# Allegro board BRD_05101_01_rev_b01_aa.brd (continued)
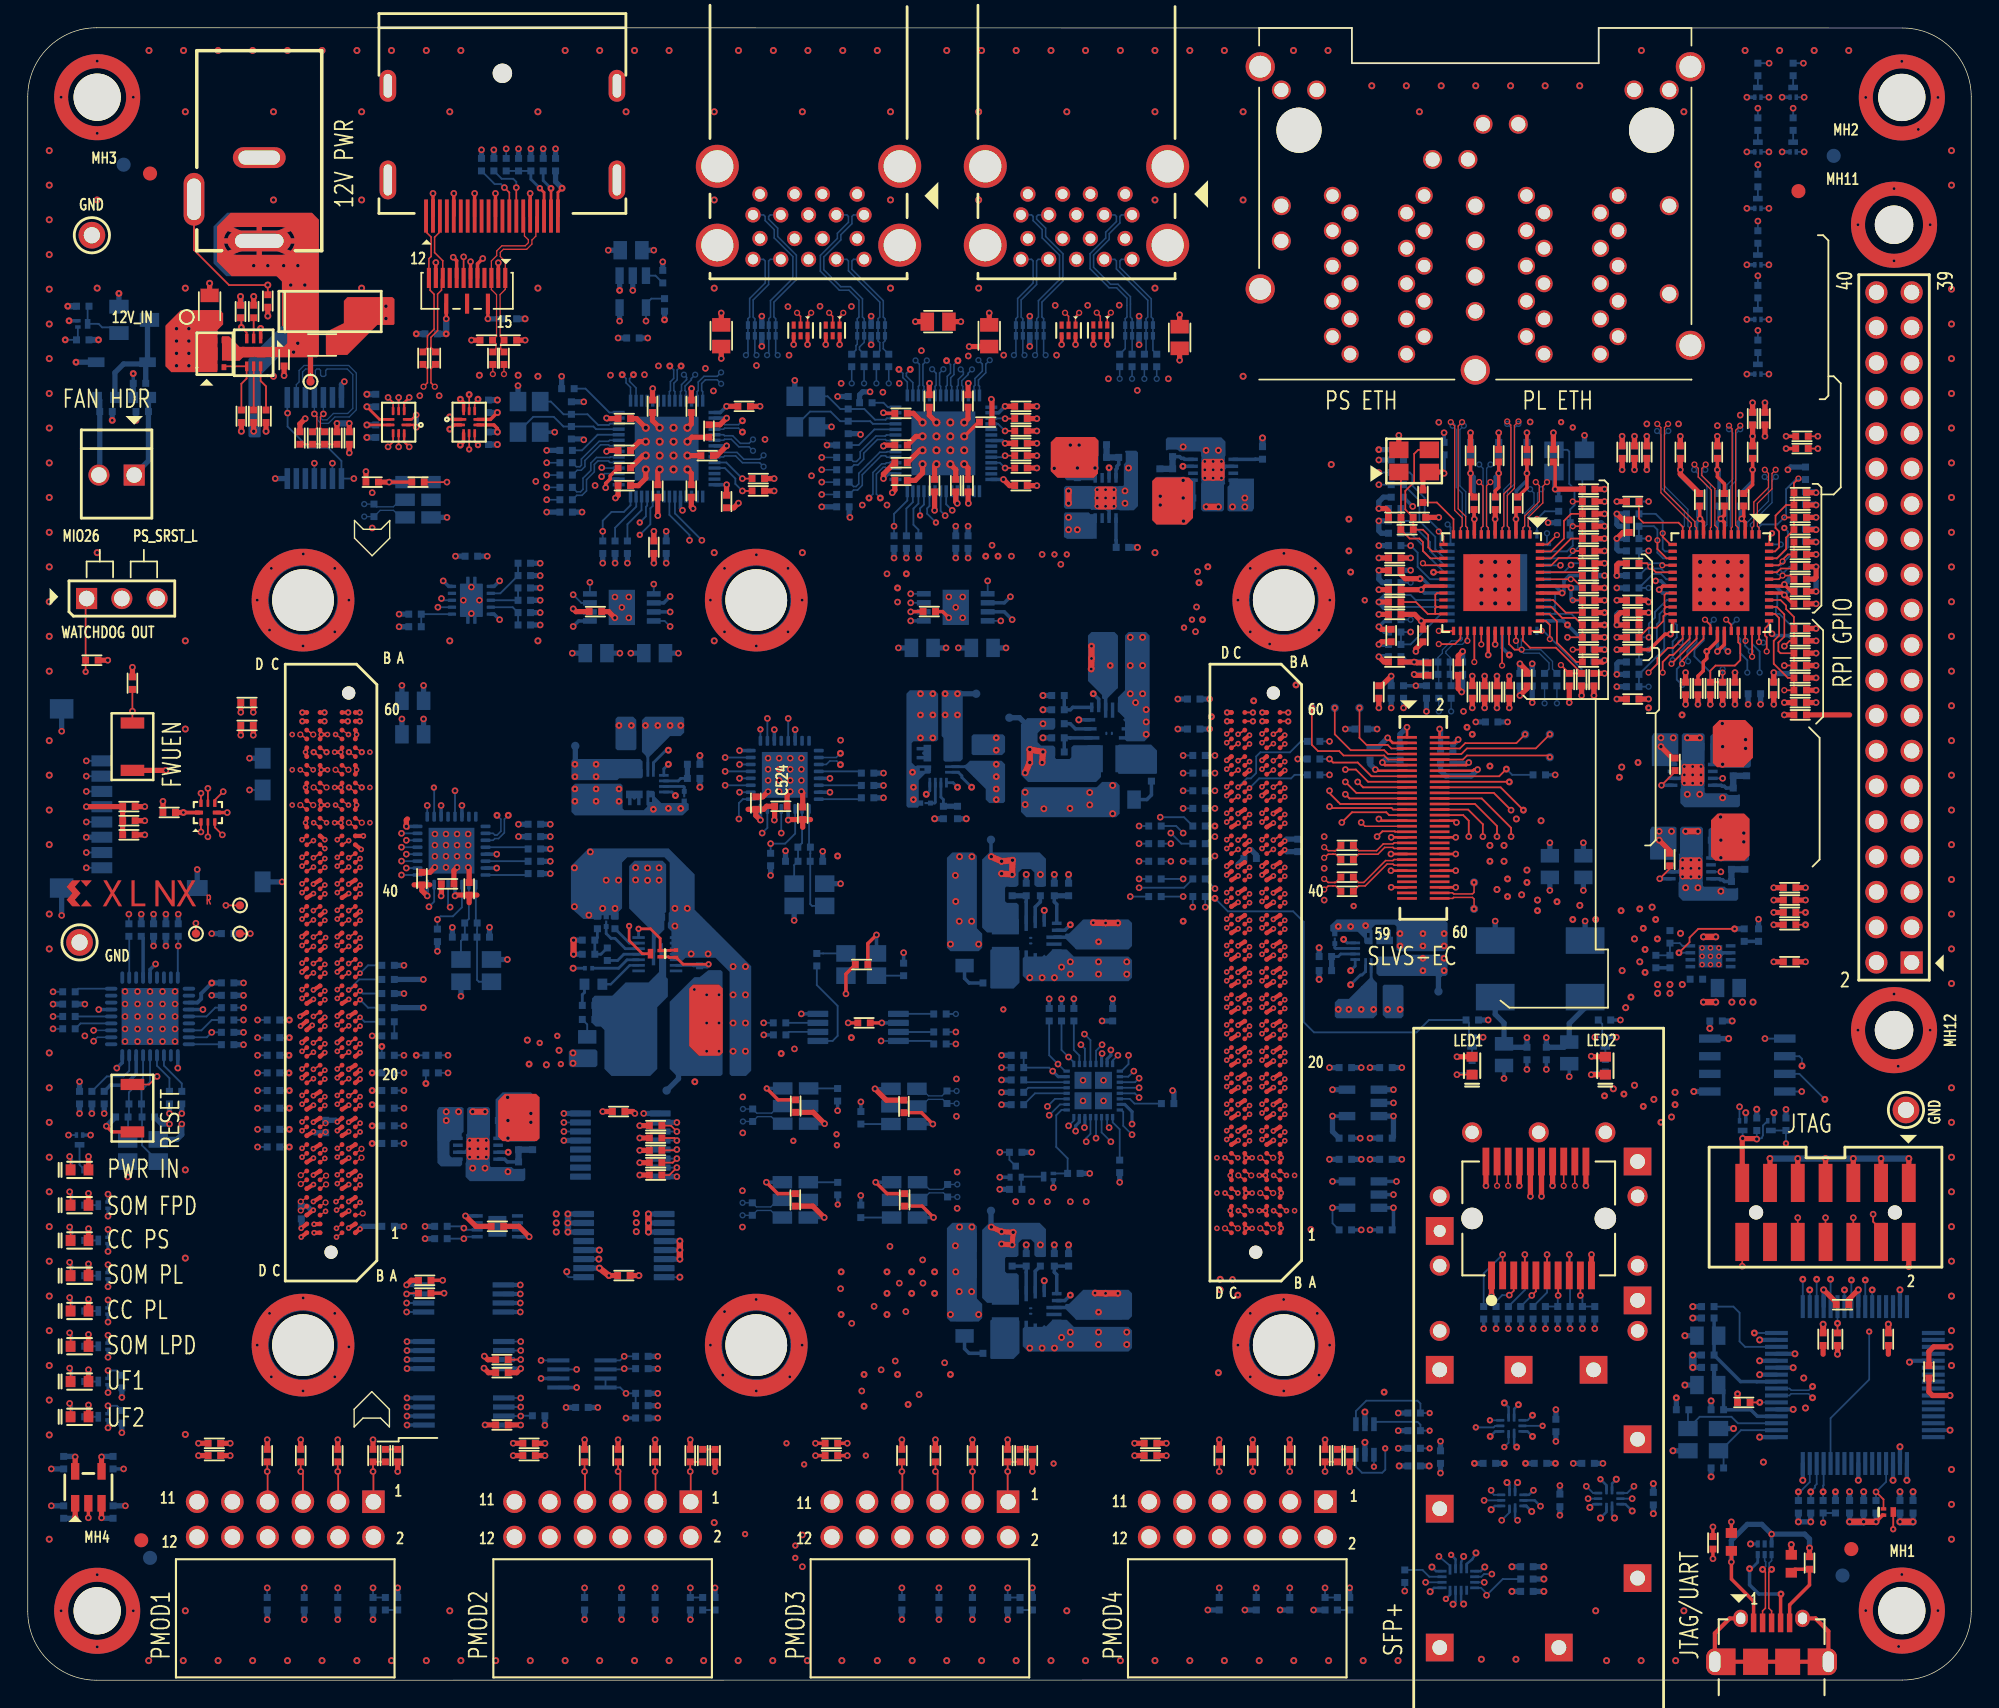
[diagram p0: board, top side]
## Copper pours and planes (outline as drawn; the poured copper is in the pictures) (continued)
(no net) on BOTTOM: 65.07,65.83 65.07,65.45 64.94,65.32 64.69,65.32 64.18,64.82 64.18,63.29 64.44,63.29 64.44,63.04 64.18,63.04 64.18,62.91 64.12,62.84 63.41,62.84 63.29,62.96 63.29,71.04 63.55,71.29 65.32,71.29 65.58,71.04 65.58,67.74 65.45,67.61 63.8,67.61 63.67,67.48 63.67,66.09 63.93,65.83 ; 1 cut-out
(no net) on BOTTOM: 71.37,52.63 71.44,52.55 71.44,50.23 71.02,49.81 69.39,49.81 69.33,49.86 69.33,52.55 69.39,52.63
(no net) on BOTTOM: 78.53,67.3 78.61,67.38 80.92,67.38 81.35,66.95 81.35,65.32 81.3,65.27 78.61,65.27 78.53,65.32
(no net) on BOTTOM: 44.97,52.41 44.97,53.93 43.32,55.58 43.32,58.63 43.7,59.01 45.73,59.01 45.99,58.76 45.99,55.33 45.86,55.2 45.86,54.06 45.22,53.42 45.22,52.41
(no net) on BOTTOM: 36.5,38.78 36.62,38.91 36.62,41.96 36.24,42.34 34.21,42.34 33.7,41.83 33.7,38.91 33.83,38.78
(no net) on BOTTOM: 77.01,64.31 71.8,64.31 71.55,64.05 71.55,62.53 71.93,62.15 78.41,62.15 78.66,62.4 78.66,64.44 78.41,64.69 77.39,64.69
(no net) on BOTTOM: 84.52,88.42 84.45,88.49 82.11,88.49 81.98,88.61 81.98,89.38 82.11,89.5 85.98,89.5 86.28,89.2 86.3,86.2 86.17,86.07 86.17,84.3 86.05,84.17 84.65,84.17 84.52,84.3
(no net) on BOTTOM: 86.43,84.25 86.43,85.95 86.56,86.07 86.56,86.45 86.66,86.53 88.33,86.53 88.33,86.14 88.33,84.4 88.21,84.17 86.56,84.17
(no net) on BOTTOM: 44.21,64.95 42.59,64.95 42.46,64.82 39.29,64.82 39.16,64.94 39.16,66.21 39.29,66.34 44.12,66.34 44.29,66.17 44.29,65.02
(no net) on BOTTOM: 77.23,67.33 77.31,67.25 77.31,65.04 76.96,64.69 72.06,64.69 71.55,65.2 71.55,68.83 72,69.28 73.96,69.28 74.01,69.22 74.01,68.57 73.88,68.45 73,68.45 72.74,68.19 72.74,67.56 73,67.31 73.88,67.31 74.01,67.18 74.01,66.42 74.09,66.34 75.05,66.34 75.18,66.46 75.18,67.18 75.33,67.33
(no net) on BOTTOM: 31.39,41.19 31.39,39.5 31.27,39.37 31.27,38.99 31.16,38.91 30.53,38.91 30.38,38.73 30.38,37.84 30.51,37.72 31.14,37.72 31.27,37.59 31.29,37.38 31.29,37.13 31.16,37 29.76,37 29.51,37.26 29.49,39.3 29.49,41.05 29.62,41.27 31.27,41.27
(no net) on BOTTOM: 118.77,61.39 118.77,59.69 118.64,59.56 118.64,59.18 118.54,59.1 116.87,59.1 116.87,59.49 116.87,61.24 116.99,61.47 118.64,61.47
(no net) on BOTTOM: 77.14,89.2 77.01,89.33 74.98,89.33 74.72,89.07 74.72,86.53 74.85,86.41 77.01,86.41 77.14,86.53
(no net) on BOTTOM: 96.82,53.01 96.44,53.01 96.31,53.13 96.31,53.39 95.8,53.89 94.28,53.89 94.28,53.64 94.03,53.64 94.03,53.89 93.9,53.89 93.83,53.96 93.83,54.36 94.28,54.78 102.03,54.78 102.28,54.53 102.28,52.75 102.03,52.5 98.73,52.5 98.6,52.62 98.6,54.28 98.47,54.4 97.07,54.4 96.82,54.15 ; 1 cut-out
(no net) on BOTTOM: 97.2,50.21 97.2,47.93 96.95,47.67 94.28,47.67 94.15,47.8 94.15,48.81 94.41,49.07 95.17,49.07 96.82,50.72 96.95,50.47
(no net) on BOTTOM: 45.48,51.01 45.48,52.15 45.61,52.28 45.99,51.9 45.99,50.63 46.11,50.5 46.11,49.23 45.35,48.47 45.35,44.03 44.84,43.52 42.05,43.52 41.54,44.03 41.54,46.82 41.29,47.07 40.91,47.07 40.65,47.33 40.65,49.11 40.84,49.3 42.11,49.3 43.07,50.25 44.72,50.25
(no net) on BOTTOM: 43.61,69.39 42.5,69.39 42.34,69.23 42.34,67.1 42.46,66.98 43.74,66.98 43.84,67.07 43.84,69.16
(no net) on BOTTOM: 118.9,68.12 118.9,66.42 118.77,66.29 118.77,65.91 118.66,65.83 118.03,65.83 118.02,65.82 118.01,65.83 117,65.83 116.99,66.22 116.99,67.97 117.12,68.2 118.77,68.2
DP_3V3 on L12_SIG: 39.25,108 42.43,104.83 42.43,101.91 43.06,101.27 43.06,99.49 41.92,98.35 32.63,98.35 31.26,99.72 31.26,105.51 33.76,108
Net_24 on TOP (solid shape): 11.42,56.89 11.82,57.61 12.09,57.61 11.55,56.69 12.13,55.73 11.86,55.73 11.42,56.49 10.98,55.73 10.72,55.73 11.3,56.69 10.76,57.61 11.02,57.61
Net_26 on TOP (solid shape): 10.36,56.16 10.36,57.61 10.59,57.61 10.59,55.73 10.38,55.73 9.42,57.18 9.42,55.73 9.19,55.73 9.19,57.61 9.4,57.61
Net_27 on TOP (solid shape): 7.7,55.94 8.47,55.94 8.47,55.73 7.47,55.73 7.47,57.61 7.7,57.61
Net_28 on TOP (solid shape): 6.1,56.89 6.5,57.61 6.76,57.61 6.22,56.69 6.8,55.73 6.54,55.73 6.1,56.49 5.66,55.73 5.4,55.73 5.97,56.69 5.44,57.61 5.7,57.61
Net_31 on TOP (solid shape): 3.4,57.14 3.8,56.67 3.4,56.2 3.8,55.73 3.2,55.73 2.8,56.2 3.2,56.67 2.8,57.14 3.2,57.61 3.8,57.61
PL_1V8 on BOTTOM (solid shape): 73.35,59.16 73.35,57.2 73.29,57.15 72.64,57.15 72.51,57.27 72.51,58.16 72.26,58.42 71.62,58.42 71.37,58.16 71.37,57.27 71.24,57.15 70.48,57.15 70.4,57.07 70.4,56.74 70.4,56.24 70.4,56.1 70.53,55.98 71.24,55.98 71.39,55.83 71.39,53.92 71.32,53.85 69.11,53.85 68.75,54.2 68.75,59.1 69.26,59.61 72.89,59.61
PL_1V8 on L07_PWR: 82.6,92.38 126.03,92.38 129.71,88.69 129.71,70.15 128.7,69.13 115.87,69.13 111.17,64.44 104.19,64.44 101.39,67.23 101.39,73.07 99.74,74.72 92.48,74.72 93.7,76.04 94.14,77.78 90.48,81.44 86.82,77.78 87.26,76.04 88.48,74.72 86.03,74.72 84.12,72.82 84.12,67.99 85.26,66.85 91.87,66.85 93.01,65.71 93.01,34.84 92.63,34.46 67.61,34.46 67.61,41.58 62.71,41.58 62.71,44.61 57.84,44.61 56.69,43.45 56.69,34.21 27.86,34.21 24.3,30.65 19.6,30.65 18.97,31.29 18.97,35.48 19.48,35.99 24.3,35.99 24.94,36.62 24.94,47.67 26.46,49.2 39.54,49.2 41.45,51.1 41.45,55.04 42.85,56.43 67.86,56.43 69.64,58.21 69.64,69.77 80.95,81.07 80.95,90.72
PL_1V8_SW on BOTTOM (solid shape): 71.44,52.55 71.44,50.23 71.02,49.81 69.39,49.81 69.33,49.86 69.33,52.55 69.39,52.63 71.37,52.63
PL_3V3 on BOTTOM (solid shape): 118.77,61.39 118.77,59.69 118.64,59.56 118.64,59.18 118.54,59.1 116.87,59.1 116.87,59.49 116.87,61.24 116.99,61.47 118.64,61.47
PL_3V3 on BOTTOM (solid shape): 118.9,68.12 118.9,66.42 118.77,66.29 118.77,65.91 118.66,65.83 117,65.83 116.99,66.22 116.99,67.97 117.12,68.2 118.77,68.2
PL_3V3 on BOTTOM (solid shape): 73.35,32.49 73.35,30.53 73.29,30.48 72.64,30.48 72.51,30.6 72.51,31.49 72.26,31.75 71.62,31.75 71.37,31.49 71.37,30.6 71.24,30.48 70.48,30.48 70.4,30.4 70.4,30.07 70.4,29.57 70.4,29.43 70.53,29.31 71.24,29.31 71.39,29.16 71.39,27.25 71.32,27.18 69.11,27.18 68.75,27.53 68.75,32.43 69.26,32.94 72.89,32.94
PL_3V3 on L07_PWR: 105.2,115.49 129.59,115.49 138.6,106.47 138.6,19.22 136.06,16.68 85.64,16.68 83.36,18.97 56.31,18.97 53.89,16.56 46.78,16.56 45.26,18.08 31.92,18.08 30.27,16.43 17.45,16.43 14.91,18.97 12.11,18.97 10.59,17.45 10.59,14.65 7.67,11.73 6.14,11.73 5.63,12.24 5.63,12.87 4.75,13.76 3.09,13.76 1.82,15.03 1.82,46.91 3.73,48.81 22.78,48.81 23.92,47.67 23.92,36.75 23.8,36.62 18.21,36.62 17.83,36.24 17.83,31.29 18.84,30.27 24.56,30.27 28.49,34.21 36.24,34.21 36.88,33.57 57.11,33.57 57.46,33.92 57.46,42.91 58.48,43.93 62.02,43.93 62.02,40.94 66.98,40.94 66.98,34.08 93.52,34.08 93.52,65.58 91.74,67.36 85.77,67.36 84.88,68.25 84.88,72.56 86.53,74.21 98.98,74.21 100.63,72.56 100.63,66.98 103.93,63.67 112.19,63.67 116.76,68.25 120.82,68.25 122.22,66.85 128.06,66.85 129.84,68.63 129.84,89.84 126.16,93.52 104.44,93.52 102.66,95.3 102.66,112.95 ; 3 cut-outs
PL_3V3_SW on BOTTOM (solid shape): 71.44,25.88 71.44,23.56 71.02,23.14 69.39,23.14 69.33,23.19 69.33,25.88 69.39,25.96 71.37,25.96
PL_3V8 on BOTTOM (solid shape): 102.28,52.12 102.28,50.85 102.15,50.72 97.33,50.72 97.16,50.89 97.16,52.04 97.23,52.11 98.85,52.11 98.98,52.24 102.15,52.24
PL_3V8 on L08_PWR: 92.63,51.99 92.63,67.86 93.9,69.13 99.61,69.13 103.17,65.58 103.17,50.47 102.28,49.58 98.98,49.58 97.71,50.85 93.77,50.85
PL_ETH_1V0 on TOP (solid shape): 124.04,62.02 124.04,59.39 123.66,59.02 121.56,59.02 121.26,59.32 121.26,61.94 121.74,62.42 123.64,62.42
PL_ETH_1V0 on BOTTOM (solid shape): 122.77,61.38 122.87,61.35 122.98,61.34 123.09,61.35 123.19,61.38 123.2,61.39 123.74,61.39 124,61.13 124,59.1 123.87,58.97 121.82,58.97 121.73,59.06 121.61,59.1 121.08,59.1 121.08,59.1 121.08,61.26 121.2,61.39 122.76,61.39
PL_ETH_1V0 on L08_PWR: 115.49,60.24 115.49,84.88 121.71,91.11 126.67,91.11 127.81,89.96 127.81,87.93 126.54,86.66 120.57,86.66 118.41,84.5 118.41,83.1 119.43,82.09 120.95,82.09 121.46,82.6 121.46,83.61 121.84,83.99 122.35,83.99 122.6,83.74 122.6,83.1 123.11,82.6 126.16,82.6 127.81,80.95 127.81,72.31 126.16,70.66 121.59,70.66 120.44,69.52 120.44,65.71 121.33,64.82 127.55,64.82 127.81,64.56 127.81,59.23 126.92,58.34 117.39,58.34
PL_ETH_2V5 on TOP (solid shape): 124.28,68.59 124.28,66.43 123.59,65.75 121.69,65.75 121.38,66.05 121.38,68.67 121.87,69.15 123.72,69.15
PL_ETH_2V5 on BOTTOM (solid shape): 122.9,68.11 123,68.08 123.11,68.07 123.22,68.08 123.32,68.11 123.33,68.12 123.87,68.12 124.13,67.86 124.13,65.83 124,65.71 121.95,65.71 121.86,65.79 121.73,65.83 121.21,65.83 121.2,65.83 121.2,67.99 121.33,68.12 122.89,68.12
PL_ETH_2V5 on L08_PWR: 114.98,86.41 116.51,86.41 121.46,91.36 126.92,91.36 128.19,90.09 128.19,87.8 126.67,86.28 120.82,86.28 119.68,85.14 119.68,83.1 120.06,82.72 120.7,82.72 121.08,83.1 121.08,83.74 121.71,84.37 122.47,84.37 122.98,83.87 122.98,83.1 123.11,82.98 126.67,82.98 128.19,81.45 128.19,71.8 126.16,69.77 121.97,69.77 120.95,68.75 120.95,65.96 121.71,65.2 136.32,65.2 137.71,66.59 137.71,95.8 137.08,96.44 130.09,96.44 129.46,95.8 122.47,95.8 121.2,94.53 115.24,94.53 113.58,92.88 113.58,87.8
PL_ETH_2V5 on L10_SIG: 114.22,86.66 116.89,86.66 120.44,83.1 124.38,83.1 125.65,84.37 125.65,91.11 124.51,92.25 114.85,92.25 113.71,91.11 113.71,87.17
PMOD_3V3 on L07_PWR: 3.09,13.25 4.49,13.25 5.13,12.62 5.13,11.6 5.63,11.1 7.92,11.1 11.35,14.52 11.35,17.06 12.62,18.33 14.02,18.33 16.68,15.67 30.91,15.67 32.69,17.45 44.62,17.45 46.15,15.92 54.53,15.92 56.94,18.33 82.6,18.33 85.26,15.67 95.3,15.67 95.8,15.16 95.8,1.82 95.17,1.19 5.63,1.19 1.82,5 1.82,11.98
PS_1V2 on BOTTOM (solid shape): 67.36,71.17 67.36,66.34 67.18,66.17 66.04,66.17 65.96,66.24 65.96,67.86 65.83,67.99 65.83,71.17 65.96,71.29 67.23,71.29
PS_1V2 on L07_PWR: 63.67,93.77 69.52,93.77 70.91,92.38 70.91,86.53 68.75,84.37 68.75,58.59 68.12,57.96 56.18,57.96 55.29,58.85 55.29,75.46 55.91,76.55 56.13,77.78 55.06,80.36 52.48,81.43 51.22,81.21 50.12,80.56 40.05,80.56 39.29,81.33 39.29,92.38 40.31,93.39 49.83,93.39 52.37,90.85 60.75,90.85
PS_1V8 on BOTTOM (solid shape): 44.29,66.17 44.29,65.02 44.21,64.95 42.59,64.95 42.46,64.82 39.29,64.82 39.16,64.94 39.16,66.21 39.29,66.34 44.12,66.34
PS_1V8 on TOP: 28.04,82.16 36.93,82.16 38.22,80.87 38.22,76.43 41.97,72.68 65.66,72.68 70.02,77.04 79.49,77.04 84.6,71.94 84.6,23.79 78.77,17.95 38.53,17.95 36.45,20.03 36.45,25.83 38.1,27.48 44.37,27.48 47.75,30.86 56.67,30.86 57.96,32.15 57.96,44.01 57.22,44.75 53.61,44.75 52.45,45.91 52.45,51.43 50.36,53.51 44.9,53.51 44.9,53.51 44.99,53.58 44.97,53.69 44.77,53.88 44.57,53.88 44.34,53.6 44,53.5 43.85,53.52 43.7,53.58 43.6,53.58 43.55,53.49 43.55,53.37 44.04,52.87 44.13,52.84 44.2,52.9 44.33,53.06 44.51,53.16 44.52,53.16 41.58,50.21 28.71,50.21 25.41,53.51 25.41,79.53
PS_1V8 on L10_SIG: 110.53,70.92 112.09,69.36 114.37,69.36 116.05,71.04 120.7,71.04 123.79,67.95 123.79,57.87 119.63,53.7 119.63,45.06 121.54,43.15 121.54,33.21 106.6,18.28 87.86,18.28 82.72,23.41 82.72,44.37 82.09,45 75.87,45 74.34,43.48 68.88,43.48 68.25,42.85 68.25,21.51 73.39,16.37 73.39,2.78 74.58,1.59 122.91,1.59 138.52,17.19 138.52,38.18 136.75,39.94 134.7,39.94 129.81,44.83 129.81,49.7 132.83,52.72 137.71,52.72 138.16,53.17 138.16,80 136.92,81.23 132.6,81.23 131.49,82.34 120.44,82.34 116.51,86.28 112.95,86.28 112.82,86.15 112.82,83.1 111.55,81.83 104.31,81.83 102.92,83.23 102.92,86.03 99.61,89.33 96.09,89.33 95.58,88.82 95.58,84.75 96.71,83.62 96.71,71.53 97.32,70.92
PS_1V8 on L10_SIG: 26.72,74.21 36.37,74.21 37.77,75.61 37.77,90.34 35.1,93.01 24.43,93.01 22.65,91.23 22.65,83.87 25.19,81.33 25.19,75.74
PS_3V3 on BOTTOM (solid shape): 76.55,83.97 76.93,83.97 77.01,83.87 77.01,82.2 76.62,82.19 74.87,82.19 74.64,82.32 74.64,83.97 74.72,84.1 76.42,84.1
PS_3V3 on BOTTOM (solid shape): 88.33,86.14 88.33,84.4 88.21,84.17 86.56,84.17 86.43,84.25 86.43,85.95 86.56,86.07 86.56,86.45 86.66,86.53 88.33,86.53
PS_3V3 on BOTTOM (solid shape): 74.01,69.22 74.01,68.57 73.88,68.45 73,68.45 72.74,68.19 72.74,67.56 73,67.31 73.88,67.31 74.01,67.18 74.01,66.42 74.09,66.34 74.41,66.34 74.91,66.34 75.05,66.34 75.18,66.46 75.18,67.18 75.33,67.33 77.23,67.33 77.31,67.25 77.31,65.04 76.96,64.69 72.06,64.69 71.55,65.2 71.55,68.83 72,69.28 73.96,69.28
PS_3V3 on L08_PWR: 13.76,117.39 94.37,117.39 94.37,115.43 104.88,115.43 106.98,113.33 106.98,93.65 100.56,87.23 91.66,87.23 88.17,83.74 86.91,83.74 86.53,84.12 86.53,87.17 85.52,88.18 80.82,88.18 79.55,86.91 79.55,84.5 87.17,76.88 87.17,61.51 86.15,60.5 72.18,60.5 71.29,61.39 71.29,68.63 71.8,69.13 79.04,69.13 79.42,69.52 79.42,76.12 77.14,78.41 56.04,78.41 54.8,80.55 52.48,81.39 50.16,80.55 48.92,78.41 31.29,78.41 21.7,87.99 21.7,95.11 20.11,96.69 9.95,96.69 9.44,96.19 9.44,83.1 12.37,80.18 12.37,67.99 15.92,64.44 15.92,42.21 30.15,27.99 36.5,27.99 40.18,31.67 40.18,35.35 37,38.53 37,41.96 38.91,43.86 55.93,43.86 55.93,45.84 65.58,45.84 65.58,35.48 45,35.48 43.73,34.21 43.73,31.54 45.64,29.64 45.64,27.86 46.53,26.97 48.31,26.97 48.31,17.06 2.46,17.06 0.81,18.72 0.81,104.44 ; 1 cut-out
PS_3V3_SW on BOTTOM (solid shape): 81.35,66.95 81.35,65.32 81.3,65.27 78.61,65.27 78.53,65.32 78.53,67.3 78.61,67.38 80.92,67.38
PS_ETH_1V0 on TOP (solid shape): 83.94,86.32 83.94,83.7 83.46,83.22 81.32,83.22 81,83.54 81,86.37 81.25,86.62 83.64,86.62
PS_ETH_1V0 on BOTTOM (solid shape): 83.37,86.66 83.47,86.57 83.59,86.54 84.11,86.54 84.12,86.53 84.12,84.37 83.99,84.25 82.44,84.25 82.43,84.25 82.32,84.28 82.22,84.29 82.11,84.28 82,84.25 81.99,84.25 81.45,84.25 81.2,84.5 81.2,86.53 81.33,86.66
PS_ETH_1V0 on L08_PWR: 104.06,88.31 112.19,88.31 114.85,85.64 114.85,71.93 113.2,70.28 96.57,70.28 94.92,71.93 94.92,77.39 94.17,78.13 92.97,80.53 90.48,81.49 88.96,81.17 87.71,80.25 84.82,80.25 80.18,84.88 80.18,86.53 81.07,87.42 85.26,87.42 86.28,86.41 86.28,83.74 87.04,82.98 88.65,82.98 92.01,86.34 102.09,86.34
PS_ETH_2V5 on TOP (solid shape): 77.14,89.28 77.14,88.15 77.1,88.11 77.1,86.89 76.79,86.59 74.17,86.59 73.69,87.07 73.69,89.15 74.07,89.53 76.88,89.53
PS_ETH_2V5 on BOTTOM (solid shape): 77.14,89.2 77.14,87.15 77.05,87.06 77.01,86.94 77.01,86.41 77.01,86.41 74.85,86.41 74.72,86.53 74.72,88.09 74.73,88.1 74.76,88.2 74.77,88.31 74.76,88.42 74.73,88.52 74.72,88.53 74.72,89.07 74.98,89.33 77.01,89.33
PS_ETH_2V5 on L10_SIG: 104.44,82.72 111.17,82.72 111.93,83.49 111.93,91.85 110.89,92.89 103.64,92.89 103.01,93.52 83.19,93.52 82,92.33 77.34,92.33 74.09,89.07 74.09,82.34 75.48,80.95 91.22,80.95 94.79,84.52 94.79,89.07 95.68,89.96 100.12,89.96 103.42,86.66 103.42,83.74
RPI_3V3 on TOP: 93.9,37.89 98.47,37.89 99.49,38.91 99.49,40.43 100.5,41.45 128.57,41.45 129.46,42.34 129.46,48.31 132.13,50.97 138.1,50.97 138.22,51.1 138.22,95.04 137.08,96.19 129.33,96.19 126.16,93.01 126.16,88.31 126.79,87.68 128.57,87.68 129.71,86.53 129.71,65.07 128.32,63.67 114.35,63.67 104.57,53.89 94.66,53.89 93.14,52.37 93.14,38.65
RPI_5V0 on L08_PWR: 106.35,57.83 134.16,57.83 134.92,57.07 134.92,51.35 132.25,48.69 129.59,48.69 126.16,52.12 116.25,52.12 114.85,50.72 114.85,34.34 111.43,30.91 98.73,30.91 98.09,31.54 98.09,46.4 99.49,47.8 102.54,47.8 104.19,49.45 104.19,55.67
SOM_5V0 on L07_PWR: 15.92,67.23 28.88,67.23 30.27,68.63 30.27,72.44 28.62,74.09 17.06,74.09 15.16,72.18 15.16,67.99
SOM_5V0 on L08_PWR: 30.27,28.88 36.37,28.88 39.29,31.8 39.29,34.84 35.73,38.4 30.02,38.4 29.26,39.16 29.26,62.4 27.48,64.18 27.48,71.8 26.97,72.31 14.52,72.31 13.76,71.55 13.76,67.99 16.81,64.94 16.81,42.34
USB0_VBUS2 on L07_PWR: 45.77,77.52 46.35,77.52 46.61,77.26 46.61,76.53 46.38,76.3 45.97,76.3 45.28,75.61 40.05,75.61 33.19,82.47 33.19,92.12 38.4,97.33 56.43,97.33 57.07,96.69 57.07,95.68 57.58,95.17 59.61,95.17 60.24,95.8 60.24,100.5 58.97,101.77 58.97,104.31 59.48,104.82 60.63,104.82 62.02,106.22 66.21,106.22 67.61,104.82 67.61,94.92 66.85,94.15 62.91,94.15 60.5,91.74 52.5,91.74 50.21,94.03 39.8,94.03 38.4,92.63 38.4,81.71 39.92,80.18 44.62,80.18 45.13,79.68 45.13,78.15
USB0_VBUS3 on L07_PWR: 39.8,110.03 58.47,110.03 60.63,107.87 60.63,106.09 59.86,105.33 59.23,105.33 58.34,104.44 58.34,101.01 59.36,100 59.36,96.19 58.85,95.68 58.21,95.68 57.58,96.31 57.58,97.33 57.07,97.84 38.4,97.84 32.56,91.99 32.56,81.83 39.16,75.23 46.4,75.23 47.16,75.99 47.16,77.34 46.71,77.8 46.1,77.8 45.89,78 45.89,78.79 46.4,79.29 49.14,79.29 48.9,78.56 48.81,77.78 49.76,75.32 52.12,74.14 52.12,67.23 32.3,67.23 31.03,68.5 31.03,72.94 22.14,81.83 22.14,95.17 24.68,97.71 27.48,97.71
USB1_VBUS1 on L07_PWR: 70.61,75.61 70.48,75.74 70.48,76.65 70.58,76.75 71.17,76.75 75.1,80.69 75.1,96.57 75.36,96.82 76.25,96.82 76.88,96.19 76.88,95.42 77.01,95.3 78.66,95.3 79.17,95.8 79.17,101.14 78.02,102.28 78.02,104.57 78.94,105.48 86,105.48 86.28,105.2 86.28,94.03 85.26,93.01 82.09,93.01 80.18,91.11 80.18,81.45 74.34,75.61
USB1_VBUS2 on L07_PWR: 73.58,82.85 73.58,80.06 70.91,77.39 69.77,77.39 69.52,77.64 69.52,83.99 71.42,85.9 71.42,92.76 68.88,95.3 68.88,105.84 72.31,109.27 78.53,109.27 80.06,107.74 80.06,106.78 79.4,106.12 78.43,106.12 77.39,105.08 77.39,101.27 78.28,100.38 78.91,100.38 78.91,96.06 78.53,95.68 77.64,95.68 77.39,95.93 77.39,96.69 76.63,97.46 75.36,97.46 74.47,96.57 74.47,83.74
USB_JTAG_FLTR on BOTTOM: 122.36,50.86 122.36,51.37 122.49,51.5 123.12,51.5 123.38,51.75 123.38,52.64 123.25,52.77 122.36,52.77 122.36,53.28 122.53,53.44 125.06,53.44 125.19,53.32 125.19,51.34 124.68,50.78 124.68,48.59 124.41,48.32 122.63,48.32 122.38,48.58 122.38,48.96 122.51,49.09 122.51,50.74 122.49,50.74
USB_JTAG_FLTR on L03_SIG: 121.71,49.2 129.33,49.2 138.35,40.18 138.35,14.52 136.32,12.49 132.25,12.49 129.71,9.95 121.33,9.95 121.08,10.21 121.08,15.29 122.98,17.19 130.98,17.19 134.03,20.24 134.03,30.53 126.28,38.27 126.28,41.83 125.52,42.59 121.84,42.59 120.82,43.61 120.82,48.31
USB_JTAG_VCORE on TOP: 135.75,23.8 134.97,23.8 134.36,24.41 131.95,24.41 130.68,23.14 130.1,23.14 129.89,23.34 129.89,23.95 129.86,23.99 129.86,24.14 129.59,24.41 128.65,24.41 128.34,24.11 126.83,24.11 126.52,23.8 124.38,23.8 123.74,23.16 123.74,21.22 124.48,20.49 127.12,20.49 127.35,20.26 127.35,14.17 127.58,13.94 130.3,13.94 130.98,13.25 136.39,13.25 136.95,13.81 136.95,18.21 136.1,19.06 136.1,23.45
USB_PWRD_VCCIO on BOTTOM: 117.16,51.63 117.03,51.5 117.03,49.47 117.28,49.21 119.82,49.21 119.95,49.34 119.95,51.5 119.82,51.63
USB_PWRD_VCCIO on L08_PWR: 95.55,17.32 98.79,20.56 98.79,28.05 99.61,28.88 110.66,28.88 116.38,34.59 116.38,50.97 117.14,51.74 124.89,51.74 138.86,37.77 138.86,9.32 137.71,8.17 133.9,8.17 132,6.27 132,3.09 130.73,1.82 99.61,1.82 95.55,5.89
UTIL_3V3 on TOP (solid shape): 36.88,41.97 36.88,39.04 36.66,38.82 34.19,38.82 33.88,39.13 33.88,41.74 34.36,42.23 36.62,42.23
UTIL_3V3 on BOTTOM (solid shape): 36.62,41.96 36.62,38.91 36.5,38.78 34.45,38.78 34.36,38.87 34.23,38.9 33.71,38.9 33.7,38.91 33.7,41.83 34.21,42.34 36.24,42.34
UTIL_3V3 on TOP: 55.74,31.67 47.04,31.67 44.12,28.75 37.77,28.75 35.23,26.21 35.23,11.1 32.69,8.56 4.11,8.56 1.57,11.1 1.57,38.02 2.21,38.65 4.82,38.65 5.83,37.65 13.39,37.65 14.27,36.77 14.27,31.92 16.61,29.58 25.01,29.58 26.06,30.63 26.06,46.25 27.48,47.67 44.37,47.67 47.87,44.17 56.57,44.17 57.34,43.41 57.34,33.27 ; 1 cut-out
GND on TOP (solid shape): 123.03,0.36 121.53,0.36 121.1,0.54 120.92,0.97 120.92,1.69 121.1,2.12 121.53,2.29 123.03,2.29
GND on TOP (solid shape): 129.71,2.29 130.14,2.12 130.32,1.69 130.32,0.97 130.14,0.54 129.71,0.36 128.21,0.36 128.21,2.29

Small or netless copper shapes (teardrops, artwork), in the pictures only: 2 on TOP

## Text on the board
BOTTOM: 14 | LAYER 14 BOTTOM
Board Geometry/Soldermask Bottom: 18 | SOLDERMASK BOTTOM
Package Geometry/Pastemask Bottom: 20 | PASTEMASK BOTTOM
Ref Des/Silkscreen Bottom: UTIL3V3 | PS1V8 | 5V0_IN | PS1V2 | PL1V8 | PL_3V3 | PL_3V8 | ETH_1V0 | ETH_2V5 | PL | PS3V3 | PS | PN 128-05101-01 REV B01 | 16 | SILKSCREEN BOTTOM | RoHS
User.Comments: CR_CLKCHIP_1 | CR_SOMMODULES_1 | CR_HUB43_1 | CR_PS_3V3_REG_1 | CR_LED_10 | CR_LED_9 | CR_INA260_ADDRR_1 | CR_U19_1 | CR_8PIN_1 | CR_IC2CHIP_1 | CR_PSETH2V5_1 | CR_PSETH1V0_1 | CR_TPS_SUPPLY-B_2 | CR_TPS_SUPPLY-B_1 | CR_ETHPWR2_1 | CR_ETHPWR1_1 | CR_DCCNTRL_1 | CR_WD_1 | MH3 | J1 | R51 | TP3 | C52 | MH4 | SW2 | SW1 | Q5 | R50 | R46 | C50 | U41 | C207 | U18 | TP1 | C204 | J15 | R168 | Q22 | C239 | R269 | 11 | 12 | TP23 | J6 | C74 | J2 | C128 | C258 | C338 | C251 | C330 | C334 | C341 | C335 | C337 | C333 | R138 | R137 | C252 | TP19 | 17 | J8 | U15 | 34 | 18 | 15 | J7 | U9 | C23 | A1 | C43 | U34 | TP24 | U7 | C22 | C42 | C127 | DS1 | DS6 | DS2 | DS3 | DS4 | DS5 | C267 | TP7 | 1 | 2 | R205 | X4 | C41 | R194 | R186 | R178 | R188 | R185 | R187 | R189 | R192 | R193 | R180 | C62 | C69 | J5 | C107 | R176 | J3 | U32 | U17 | C240 | C242 | C247 | C343 | C332 | C260 | C331 | C342 | C244 | R81 | R146 | R141 | R145 | C245 | R151 | C246 | C214 | C213 | C254 | L4 | MH7 | D | X3 | C | MH5 | C80 | R66 | 4 | L5 | C88 | C87 | 5 | R179 | R190 | R181 | R89 | 19 | C81 | U11 | B | 40 | 20 | 60 | C78 | R241 | U31 | C101 | C326 | A | JA1 | 8 | C79 | C325 | X7 | C49 | U19 | U24 | X8 | U46 | C103 | C82 | C85 | R75 | U44 | X5 | C277 | C275 | C316 | R221 | R222 | C315 | C309 | C310 | L3 | C83 | C84 | L2 | X2 | X6 | R15 | U10 | R10 | TP13 | 14 | 13 | 7 | C13 | C146 | C145 | C173 | C172 | R103 | R113 | R114 | R115 | C158 | U38 | U36 | C197 | C202 | C200 | C199 | C198 | R108 | R107 | R106 | R102 | R125 | R104 | R105 | R109 | R116 | TP17 | 6 | J17 | Q4 | Q3 | Q2 | R112 | C16 | MH2 | U12 | C17 | J16 | JA2 | MH1 | MH8 | MH6 | D1 | U16 | U61 | U62 | J4 | U68 | U43 | U67 | J11 | J10 | J12 | C203 | Q21 | TP5 | R265 | C235 | C234 | TP9 | R135 | R133 | C206 | C205 | J13 | C117 | C118 | C119 | C120 | C121 | C122 | TP29 | TP27 | TP28 | C123 | C124 | TP30 | C340 | TP32 | TP33 | TP34 | TP31 | C241 | R206 | C268 | C248 | C215 | C106 | C255 | R38 | C249 | C21 | R199 | R80 | R171 | R23 | C211 | R24 | R85 | C112 | C63 | R173 | R39 | R172 | C216 | R170 | C111 | R83 | R73 | C110 | C227 | C70 | C60 | C226 | C58 | C212 | C59 | C229 | U28 | U30 | U27 | C57 | R174 | C228 | C54 | R169 | C231 | C61 | R155 | C72 | C55 | C67 | C56 | TP37 | U55 | C230 | U58 | C233 | U49 | C232 | C90 | U52 | C89 | R182 | R177 | C91 | R40 | TP38 | C92 | R41 | TP39 | C93 | C44 | R36 | C95 | C301 | C99 | C102 | C305 | C276 | R262 | C302 | C100 | C306 | C97 | R217 | R74 | R216 | R78 | R219 | C105 | R76 | R220 | R77 | U26 | TP21 | TP15 | C104 | C94 | TP11 | C279 | C281 | C280 | C282 | C12 | C15 | C349 | C351 | C347 | U40 | C195 | C345 | TP35 | C190 | TP36 | R240 | C194 | R6 | C164 | C192 | C14 | R17 | C193 | C189 | C350 | C346 | R127 | R124 | C352 | C348 | U50 | U51 | PCB EDGE | RESET | FWUEN | PS_SRST_L | MIO26 | IAS_2V75 | GND | PL_1V2 | PS | PL | IAS 0 | IAS 1 | PWR IN | SOM LPD | SOM FPD | CC PS | SOM PL | CC PL | PL_1V8 | UTIL_3V3 | USB 3/4 | USB 1/2 | ETH_2V5 | WATCHDOG OUT | 12VIN | 5V0_IN | PS_1V2 | 12V-IN-JACK | SCK | SDA | SOM240_1 | PL_3V3 | PS_1V8 | PS_3V3 | CONTACT | RASPBERRY PI | SOM240_2 | ETH_1V0 | J9
TOP: R | 1 | TOP SIDE
Board Geometry/Soldermask Top: 17 | SOLDERMASK TOP
Package Geometry/Pastemask Top: 19 | PASTEMASK TOP
Ref Des/Silkscreen Top: WATCHDOG OUT | MIO26 | GND | 12V_IN | PS_SRST_L | LED1 | LED2 | C524 | FAN HDR | SOM FPD | CC PS | SOM PL | CC PL | SOM LPD | UF1 | UF2 | PWR IN | PS ETH | SLVS-EC | PL ETH | JTAG | PMOD1 | RESET | FWUEN | 12V PWR | PMOD2 | PMOD3 | PMOD4 | SFP+ | JTAG/UART | RPI GPIO | 15 | SILKSCREEN TOP
L02_GND: 2 | LAYER 2 GROUND
L03_SIG: 3 | LAYER 3 SIGNAL
L04_GND: 4 | LAYER 4 GROUND
L05_SIG: 5 | LAYER 5 SIGNAL
L06_GND: 6 | LAYER 6 GROUND
L07_PWR: 7 | LAYER 7 POWER
L08_PWR: 8 | LAYER 8 POWER
L09_GND: 9 | LAYER 9 GROUND
L10_SIG: 10 | LAYER 10 SIGNAL
L11_GND: 11 | LAYER 11 GROUND
L12_SIG: 12 | LAYER 12 SIGNAL
L13_GND: 13 | LAYER 13 GROUND
XSECTION_CHART: *  SURFACE - AIR 0 MIL | *  DIELECTRIC - CONFORMAL_COAT 0.8 MIL | L1 TOP CONDUCTOR - 05OZ_CU+PLATING 1.9 MIL | *  DIELECTRIC - P001-EM-828G-1080X1-RC66-PREG-3P21 3.21 MIL | L2 L02_GND PLANE - 05OZ_CU 0.6 MIL | *  DIELECTRIC - C001-EM-828G-2113X1-RC54-CORE-4P0 4 MIL | L3 L03_SIG CONDUCTOR - 05OZ_CU 0.6 MIL | *  DIELECTRIC - P002-EM-828G-2116X1-RC56-PREG-4P77 4.77 MIL | L4 L04_GND PLANE - 05OZ_CU 0.6 MIL | L5 L05_SIG CONDUCTOR - 05OZ_CU 0.6 MIL | L6 L06_GND PLANE - 05OZ_CU 0.6 MIL | *  DIELECTRIC - C002-EM-828G-1067X1-RC68P8-CORE-2P5 2.5 MIL | L7 L07_PWR PLANE - 1OZ_CU 1.2 MIL | *  DIELECTRIC - P003-EM-828G-2113X1-RC59-PREG-3P84 3.72 MIL | L8 L08_PWR PLANE - 1OZ_CU 1.2 MIL | L9 L09_GND PLANE - 05OZ_CU 0.6 MIL | L10 L10_SIG CONDUCTOR - 05OZ_CU 0.6 MIL | L11 L11_GND PLANE - 05OZ_CU 0.6 MIL | L12 L12_SIG CONDUCTOR - 05OZ_CU 0.6 MIL | L13 L13_GND PLANE - 05OZ_CU 0.6 MIL | L14 BOTTOM CONDUCTOR - 05OZ_CU+PLATING 1.9 MIL | DESIGN CROSS SECTION CHART | ___________________________ | TOTAL THICKNESS 64.02 MIL | 1-14 | 1-3 | 12-14
PAGE_OUTLINE: Reflow Process Direction | 4x ∅2.03 Solder Mask | 4x ∅3.20 %%P 0.05 Tooling Hole | 4x ∅1.03 Fiducial Mark | R | ISSUED | CHECKED | ENGRG | DRAWN | REV | 09/30/21 | 12/06/21 | 08/18/21 | DATE | APPROVED | 12/06/2021 | CGN | JIN WU & RYAN HANSEN | UNLESS OTHERWISE SPECIFIED | SCALE | SIZE | FSCM NO | A03 | B01 | A01 | A02 | CHANGE CLK NETS/CHANGE CLK CIRCUIT | SILKCREEN EDITS | PROTOTYPE | DWG NO | NONE | DIMENSIONS ARE IN INCHES | 2 PL DECIMALS +/- .010 | 3 PL DECIMALS +/- .005 | ANGLES + | FRACTIONS + | TOLERANCES ON; | SIGNATURES | DESCRIPTION | SAN JOSE, CA 95124 | 2100 LOGIC DR. | REVISIONS | D
